# Altium PCB AquaDrone_Main_PCB_V1.PcbDoc
Units mm, origin at the board's own origin, x right, y up, seen from the top; angles counter-clockwise.
Board outline 200 x 139 mm, 2 copper layers (Top Layer, Bottom Layer), stack 1.595 mm thick; 150 components, 93 nets, 469 pads, 224 vias.
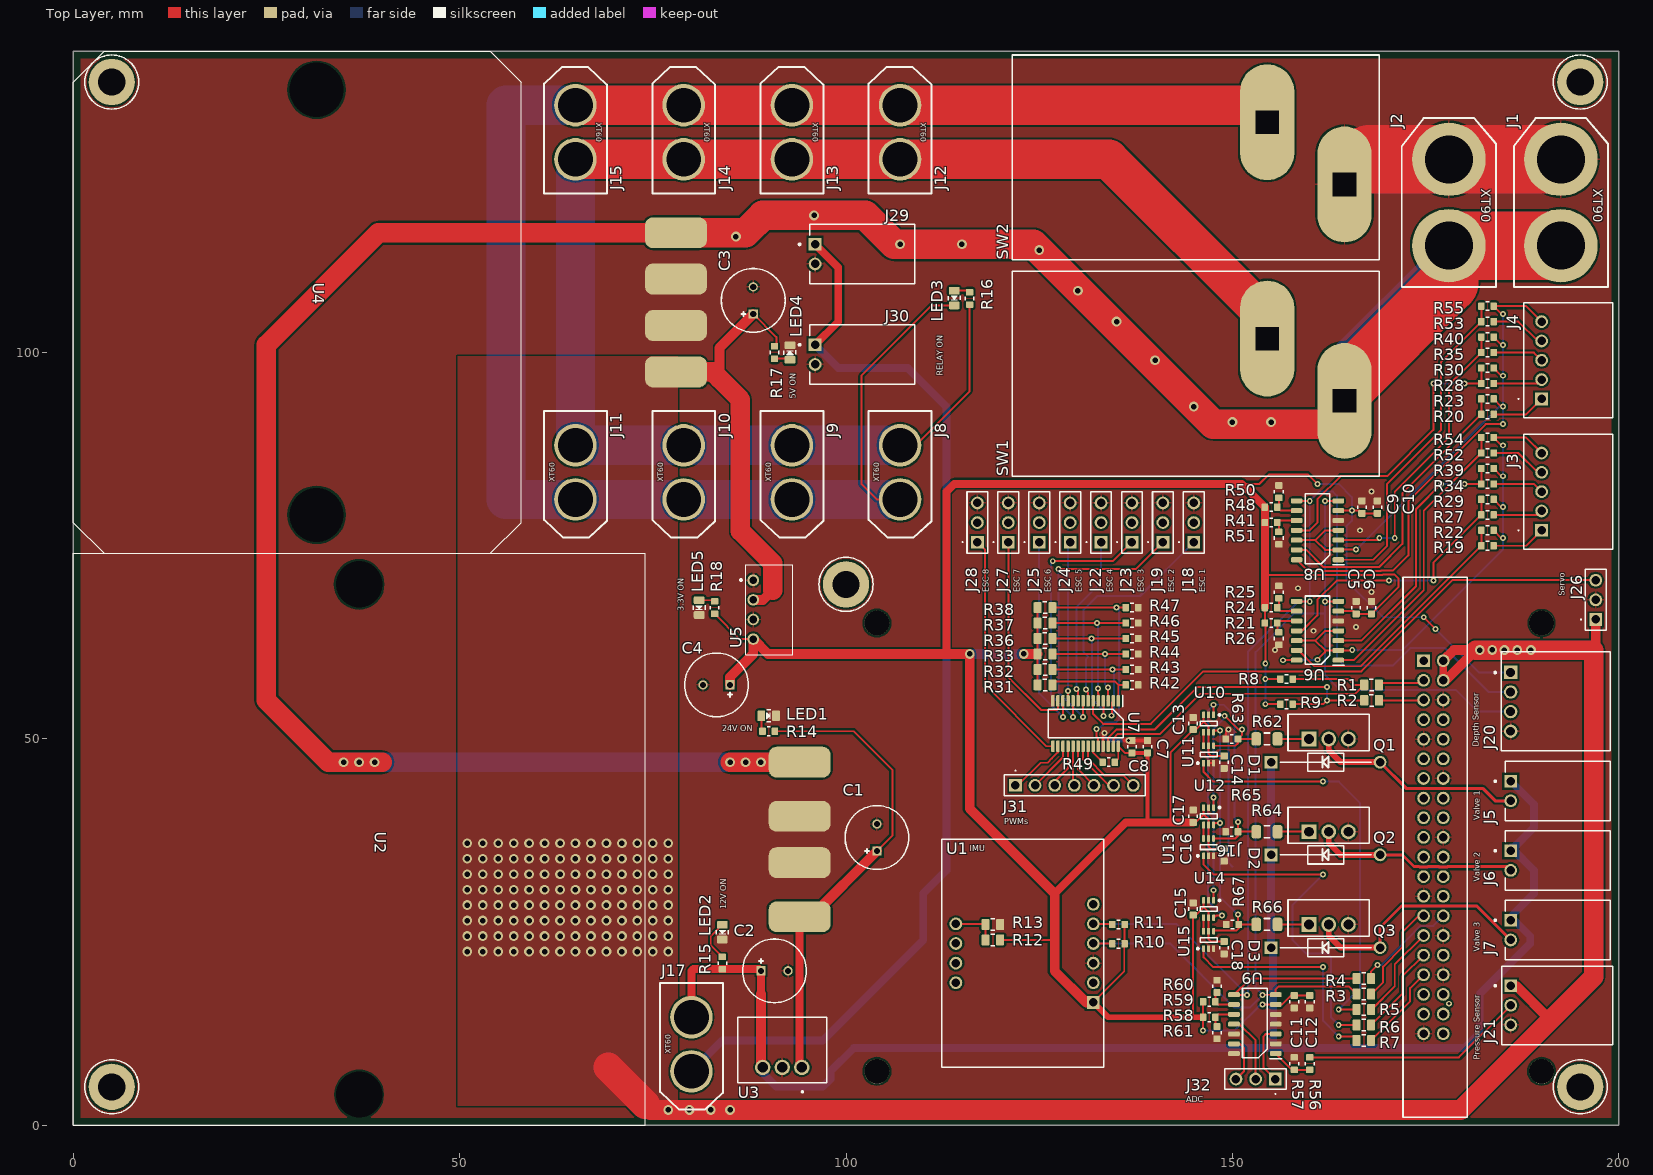
[diagram p0: Top Layer view]
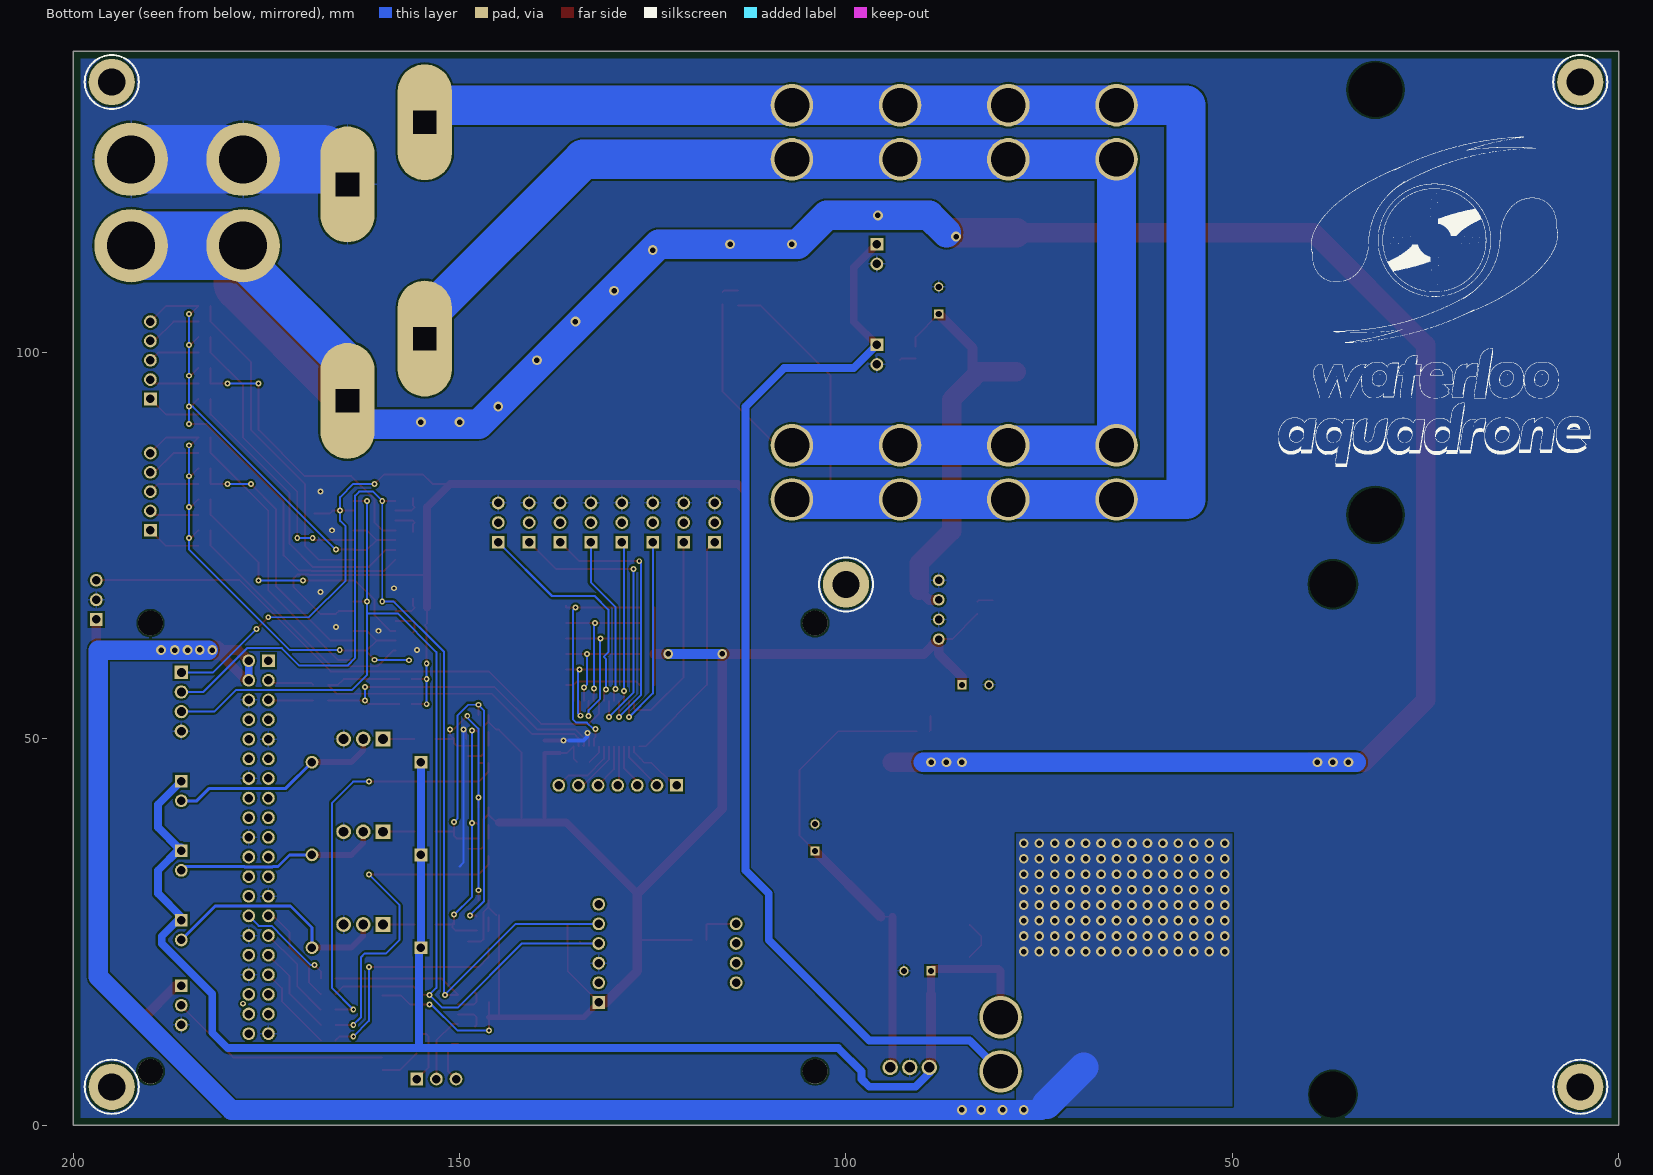
[diagram p1: Bottom Layer view, seen from below]
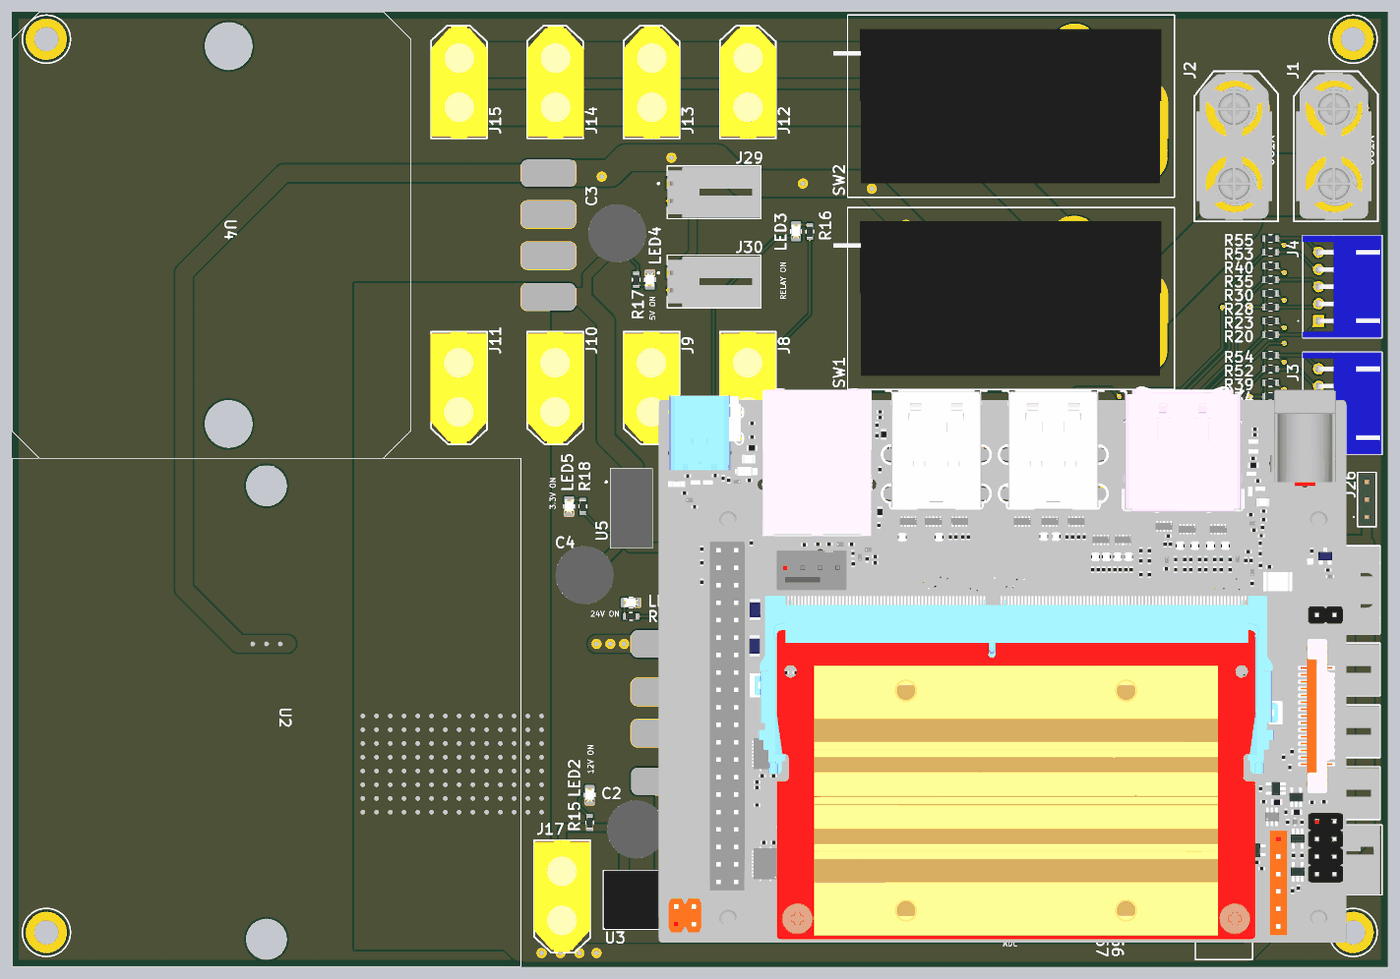
[diagram p2: 3D render of the assembled board from above, using the file's embedded part models]

## Layer stack, top to bottom
Top Solder: solder mask 0.0102, Solder Resist, Dk 3.5
Top Layer: signal copper 0.0356
Dielectric 1: dielectric 1.524, FR-4, Dk 4.8
Bottom Layer: signal copper 0.0356
Bottom Solder: solder mask 0.0102, Solder Resist, Dk 3.5

## Board outline
0,0 200,0 200,139 0,139

## Design rules (kind name [scope] priority, off if disabled: settings)
Clearance [All] p1: gap=0.254 ignorepadtopadclearanceinfootprint=FALSE except(0.127: Arc-SMDPad Track-SMDPad SMDPad-SMDPad SMDPad-THPad SMDPad-Via THPad-Via Via-Via)
ComponentClearance [All] p1: gap=0 collisioncheckmode=3 verticalgap=0 showdistances=FALSE
Height [All] p1: minheight=0 maxheight=100 prefheight=12.7
HoleSize [All] p1: absolutevalues=TRUE maxlimit=6.3 minlimit=0.2 maxpercent=80.000 minpercent=20.000
MinimumAnnularRing [All] p1: minimumring=0.076
MinimumSolderMaskSliver [All] p1: minsoldermaskwidth=0.102
PolygonConnect [All] p1: thpad.connectstyle=Relief thpad.reliefconductorwidth=0.254 thpad.reliefentries=4 thpad.polygonreliefangle="90 Angle" thpad.airgapwidth=0.254 smdpad.connectstyle=Direct smdpad.reliefconductorwidth=0.254 smdpad.reliefentries=4 smdpad.polygonreliefangle="90 Angle" smdpad.airgapwidth=0.254 via.connectstyle=Direct via.reliefconductorwidth=0.254 via.reliefentries=4 via.polygonreliefangle="90 Angle" via.airgapwidth=0.254
RoutingVias [All] p1: holewidth=0.381 width=0.635 viastyle="Through Hole" minholewidth=0.2 minwidth=0.6 maxholewidth=1 maxwidth=1.27
SilkToSilkClearance [All] p1: silktosilkclearance=0.127
SilkToSolderMaskClearance [IsPad] p1: minsilkscreentomaskgap=0.102 clearancetoexposedcopper=TRUE
SolderMaskExpansion [All] p1: expansion=0.102
Width [All] p1: maxlimit=12.7 minlimit=0.127 preferedwidth=0.254
24 further rules are at their usual default settings.

## Classes and differential pairs
component class S6_Solenoid_Valve_Interlock: C13 C14 C15 C16 C17 C18 Q1 Q2 Q3 R62 R63 R64 R65 R66 R67 U10 U11 U12 U13 U14 U15
component class S5_Communications: C5 C6 C7 C8 C9 C10 C11 C12 J31 J32 R19 R20 R21 R22 R23 R24 R25 R26 R27 R28 R29 R30 R31 R32 R33 R34 R35 R36 R37 R38 R39 R40 R41 R42 R43 R44 R45 R46 R47 R48 R49 R50 R51 R52 R53 R54 R55 R56 R57 R58 R59 R60 R61 U6 U7 U8 U9
component class S4_Power_Supply: C1 C2 C3 C4 J29 J30 LED1 LED2 LED3 LED4 LED5 R14 R15 R16 R17 R18 SW1 SW2 U2 U3 U4 U5
component class S3_Connectors: D1 D2 D3 J1 J2 J3 J4 J5 J6 J7 J8 J9 J10 J11 J12 J13 J14 J15 J17 J18 J19 J20 J21 J22 J23 J24 J25 J26 J27 J28 R1 R2 R3 R4 R5 R6 R7 R8 R9 R10 R11 R12 R13 U1

## Components (designator, comment, footprint, x,y, rotation, side; value= is the part's Value field where it differs from the comment)
C1 "CAP ALUM 33UF 20% 100V RADIAL" CAPPRD350W60D825H1700 104,35.5 r90 top value=33uF
C2 "CAP ALUM 33UF 20% 100V RADIAL" CAPPRD350W60D825H1700 89,20 r0 top value=33uF
C3 "CAP ALUM 33UF 20% 100V RADIAL" CAPPRD350W60D825H1700 88,105 r90 top locked value=33uF
C4 "CAP ALUM 33UF 20% 100V RADIAL" CAPPRD350W60D825H1700 85,57 r180 top value=33uF
C5 "CAP CER 0.1UF 16V X7R 0603" CAPC1608X09N 166,67 r270 top locked value=0.1uF
C6 "CAP CER 10UF 25V X5R 0603" CAPC1608X09N 168,67 r270 top locked value=10uF
C7 "CAP CER 10UF 25V X5R 0603" CAPC1608X09N 139,49 r270 top value=10uF
C8 "CAP CER 0.1UF 16V X7R 0603" CAPC1608X09N 137,49 r270 top value=0.1uF
C9 "CAP CER 0.1UF 16V X7R 0603" CAPC1608X09N 166.75,80 r270 top locked value=0.1uF
C10 "CAP CER 10UF 25V X5R 0603" CAPC1608X09N 168.75,80 r270 top locked value=10uF
C11 "CAP CER 0.1UF 16V X7R 0603" CAPC1608X09N 158,16 r90 top value=0.1uF
C12 "CAP CER 10UF 25V X5R 0603" CAPC1608X09N 160,16 r90 top value=10uF
C13 "CAP CER 0.1UF 16V X7R 0603" CAPC1608X09N 144.92,52 r270 top locked value=0.1uF
C14 "CAP CER 0.1UF 16V X7R 0603" CAPC1608X09N 148.92,47 r90 top locked value=0.1uF
C15 "CAP CER 0.1UF 16V X7R 0603" CAPC1608X09N 144.92,28 r270 top locked value=0.1uF
C16 "CAP CER 0.1UF 16V X7R 0603" CAPC1608X09N 148.92,35 r90 top locked value=0.1uF
C17 "CAP CER 0.1UF 16V X7R 0603" CAPC1608X09N 144.92,40 r270 top locked value=0.1uF
C18 "CAP CER 0.1UF 16V X7R 0603" CAPC1608X09N 148.92,23 r90 top locked value=0.1uF
D1 "DIODE GEN PURP 1KV 1A DO41" DIOAD1405W90L465D235 155,47 r0 top locked value=1N4007-TP
D2 "DIODE GEN PURP 1KV 1A DO41" DIOAD1405W90L465D235 155,35 r0 top locked value=1N4007-TP
D3 "DIODE GEN PURP 1KV 1A DO41" DIOAD1405W90L465D235 155,23 r0 top locked value=1N4007-TP
H1 "MTG_HOLE PTH, 3.0mm" MH_PTH_H3.0mmXP6.0mm 5,135 r90 top locked value=PTH_3.0MM
H2 "MTG_HOLE PTH, 3.0mm" MH_PTH_H3.0mmXP6.0mm 5,5 r90 top locked value=PTH_3.0MM
H3 "MTG_HOLE PTH, 3.0mm" MH_PTH_H3.0mmXP6.0mm 195,5 r90 top locked value=PTH_3.0MM
H4 "MTG_HOLE PTH, 3.0mm" MH_PTH_H3.0mmXP6.0mm 195,135 r90 top locked value=PTH_3.0MM
H5 "MTG_HOLE PTH, 3.0mm" MH_PTH_H3.0mmXP6.0mm 100,70 r90 top locked value=PTH_3.0MM
J1 "CONN XT90 MALE" XT90 192.5,125 r270 top locked value=XT90-M
J2 "CONN XT90 MALE" XT90 178,125 r270 top locked value=XT90-M
J3 "CONN HEADER R/A 5POS 2.5MM" SHDR5W64P0X250_1X5_1490X1150X610P 190,77 r270 top locked value="LiPo Cells (JST-XH)"
J4 "CONN HEADER R/A 5POS 2.5MM" SHDR5W64P0X250_1X5_1490X1150X610P 190,94 r270 top locked value="LiPo Cells (JST-XH)"
J5 "CONN HEADER R/A 2POS 2.54MM" SHDRRA2W109P0_254_1X2_762X1359X699P 186,44.54 r90 top locked value=0705530001
J6 "CONN HEADER R/A 2POS 2.54MM" SHDRRA2W109P0_254_1X2_762X1359X699P 186,35.54 r90 top locked value=0705530001
J7 "CONN HEADER R/A 2POS 2.54MM" SHDRRA2W109P0_254_1X2_762X1359X699P 186,26.54 r90 top locked value=0705530001
J8 "CONN XT60 FEMALE" XT60 107,81 r90 top locked value=XT60-F
J9 "CONN XT60 FEMALE" XT60 93,81 r90 top locked value=XT60-F
J10 "CONN XT60 FEMALE" XT60 79,81 r90 top locked value=XT60-F
J11 "CONN XT60 FEMALE" XT60 65,81 r90 top locked value=XT60-F
J12 "CONN XT60 FEMALE" XT60 107,132 r270 top locked value=XT60-F
J13 "CONN XT60 FEMALE" XT60 93,132 r270 top locked value=XT60-F
J14 "CONN XT60 FEMALE" XT60 79,132 r270 top locked value=XT60-F
J15 "CONN XT60 FEMALE" XT60 65,132 r270 top locked value=XT60-F
J16 "Jetson Nano 40 Pin Interface" "Jetson Nano" 182,36 r270 top value="Jetson Nano 40 Pin"
J17 "CONN XT60 FEMALE" XT60 80,7 r90 top locked value=XT60-F
J18 "CONN HEADER VERT 3POS 2.54MM" 61300311121 145,75.46 r90 top locked value="HEADER VERT 3POS"
J19 "CONN HEADER VERT 3POS 2.54MM" 61300311121 141,75.46 r90 top locked value="HEADER VERT 3POS"
J20 "CONN HEADER R/A 4POS 2.54MM" SHDR4W97P0X254_1X4_1271X1359X699P 186,51 r90 top locked value=0705530003
J21 "CONN HEADER R/A 3POS 2.54MM" SHDR3W89P0X254_1X3_1017X1359X699P 186,18.08 r270 top locked value=0705530002
J22 "CONN HEADER VERT 3POS 2.54MM" 61300311121 133,75.46 r90 top locked value="HEADER VERT 3POS"
J23 "CONN HEADER VERT 3POS 2.54MM" 61300311121 137,75.46 r90 top locked value="HEADER VERT 3POS"
J24 "CONN HEADER VERT 3POS 2.54MM" 61300311121 129,75.46 r90 top locked value="HEADER VERT 3POS"
J25 "CONN HEADER VERT 3POS 2.54MM" 61300311121 125,75.46 r90 top locked value="HEADER VERT 3POS"
J26 "CONN HEADER VERT 3POS 2.54MM" 61300311121 197,65.46 r90 top value="HEADER VERT 3POS"
J27 "CONN HEADER VERT 3POS 2.54MM" 61300311121 121,75.46 r90 top locked value="HEADER VERT 3POS"
J28 "CONN HEADER VERT 3POS 2.54MM" 61300311121 117,75.46 r90 top locked value="HEADER VERT 3POS"
J29 "CONN HEADER R/A 2POS 2.54MM" SHDRRA2W109P0_254_1X2_762X1359X699P 96,114 r90 top locked value=0705530001
J30 "CONN HEADER R/A 2POS 2.54MM" SHDRRA2W109P0_254_1X2_762X1359X699P 96,101 r90 top locked value=0705530001
J31 "CONN HEADER VERT 7POS 2.54MM" 61300711121 121.92,44 r0 top value="HEADER VERT 7POS"
J32 "CONN HEADER VERT 3POS 2.54MM" 61300311121 155.54,6 r180 top value="HEADER VERT 3POS"
LED1 "LED GREEN CLEAR 0805 SMD" LED0805 90,53 r180 top value="GREEN 0805"
LED2 "LED GREEN CLEAR 0805 SMD" LED0805 84,25 r90 top value="GREEN 0805"
LED3 "LED GREEN CLEAR 0805 SMD" LED0805 114,107.05 r90 top value="GREEN 0805"
LED4 "LED GREEN CLEAR 0805 SMD" LED0805 92.75,100 r270 top value="GREEN 0805"
LED5 "LED GREEN CLEAR 0805 SMD" LED0805 81,67 r90 top value="GREEN 0805"
Q1 "MOSFET N-CH 55V 47A TO-220AB" TO254P469X1042X1967-3P 159.92,50 r0 top locked value="22mOhm @ 25A, 10V"
Q2 "MOSFET N-CH 55V 47A TO-220AB" TO254P469X1042X1967-3P 159.92,38 r0 top locked value="22mOhm @ 25A, 10V"
Q3 "MOSFET N-CH 55V 47A TO-220AB" TO254P469X1042X1967-3P 159.92,26 r0 top locked value="22mOhm @ 25A, 10V"
R1 "RES SMD 0 OHM JUMPER 1/8W 0805" RESC2012X07N 168,57 r0 top locked value=0R
R2 "RES SMD 0 OHM JUMPER 1/8W 0805" RESC2012X07N 168,55 r0 top locked value=0R
R3 "RES SMD 0 OHM JUMPER 1/8W 0805" RESC2012X07N 167,17 r0 top value=0R
R4 "RES SMD 0 OHM JUMPER 1/8W 0805" RESC2012X07N 167,19 r180 top value=0R
R5 "RES SMD 0 OHM JUMPER 1/8W 0805" RESC2012X07N 167,15 r0 top value=0R
R6 "RES SMD 0 OHM JUMPER 1/8W 0805" RESC2012X07N 167,13 r0 top value=0R
R7 "RES SMD 0 OHM JUMPER 1/8W 0805" RESC2012X07N 167,11 r0 top value=0R
R8 "RES SMD 10K OHM 1% 1/10W 0603" RESC1608X06N 157,57.75 r180 top value=10K
R9 "RES SMD 10K OHM 1% 1/10W 0603" RESC1608X06N 157,54.5 r180 top value=10K
R10 "RES SMD 10K OHM 1% 1/10W 0603" RESC1608X06N 135.25,23.5 r0 top value=10K
R11 "RES SMD 10K OHM 1% 1/10W 0603" RESC1608X06N 135.25,26 r0 top value=10K
R12 "RES SMD 0 OHM JUMPER 1/8W 0805" RESC2012X07N 119,24 r180 top value=0R
R13 "RES SMD 0 OHM JUMPER 1/8W 0805" RESC2012X07N 119,26 r0 top value=0R
R14 "RES SMD 10K OHM 1% 1/10W 0603" RESC1608X06N 90,51 r0 top value=10K
R15 "RES SMD 10K OHM 1% 1/10W 0603" RESC1608X06N 84,21 r270 top value=10K
R16 "RES SMD 10K OHM 1% 1/10W 0603" RESC1608X06N 116,107 r270 top value=10K
R17 "RES SMD 10K OHM 1% 1/10W 0603" RESC1608X06N 90.75,100 r90 top value=10K
R18 "RES SMD 10K OHM 1% 1/10W 0603" RESC1608X06N 83,67 r270 top value=10K
R19 "RES SMD 127K OHM 1% 1/10W 0603" RESC1608X06N 183,75 r0 top locked value=127K
R20 "RES SMD 127K OHM 1% 1/10W 0603" RESC1608X06N 183,92 r0 top locked value=127K
R21 "RES SMD 10K OHM 1% 1/10W 0603" RESC1608X06N 155,65 r0 top locked value=10K
R22 "RES SMD 28.7K OHM 1% 1/10W 0603" RESC1608X06N 183,77 r180 top locked value=28.7K
R23 "RES SMD 28.7K OHM 1% 1/10W 0603" RESC1608X06N 183,94 r180 top locked value=28.7K
R24 "RES SMD 10K OHM 1% 1/10W 0603" RESC1608X06N 155,67 r0 top locked value=10K
R25 "RES SMD 10K OHM 1% 1/10W 0603" RESC1608X06N 156,69 r270 top locked value=10K
R26 "RES SMD 10K OHM 1% 1/10W 0603" RESC1608X06N 156,63 r90 top locked value=10K
R27 "RES SMD 86.6K OHM 1% 1/10W 0603" RESC1608X06N 183,79 r0 top locked value=86.6K
R28 "RES SMD 86.6K OHM 1% 1/10W 0603" RESC1608X06N 183,96 r0 top locked value=86.6K
R29 "RES SMD 28.7K OHM 1% 1/10W 0603" RESC1608X06N 183,81 r180 top locked value=28.7K
R30 "RES SMD 28.7K OHM 1% 1/10W 0603" RESC1608X06N 183,98 r180 top locked value=28.7K
R31 "RES SMD 0 OHM JUMPER 1/8W 0805" RESC2012X07N 125.75,57 r0 top value=0R
R32 "RES SMD 0 OHM JUMPER 1/8W 0805" RESC2012X07N 125.75,59 r0 top value=0R
R33 "RES SMD 0 OHM JUMPER 1/8W 0805" RESC2012X07N 125.75,61 r0 top value=0R
R34 "RES SMD 47K OHM 1% 1/10W 0603" RESC1608X06N 183,83 r0 top value=47K
R35 "RES SMD 47K OHM 1% 1/10W 0603" RESC1608X06N 183,100 r0 top locked value=47K
R36 "RES SMD 0 OHM JUMPER 1/8W 0805" RESC2012X07N 125.75,63 r0 top value=0R
R37 "RES SMD 0 OHM JUMPER 1/8W 0805" RESC2012X07N 125.75,65 r0 top value=0R
R38 "RES SMD 0 OHM JUMPER 1/8W 0805" RESC2012X07N 125.75,67 r0 top value=0R
R39 "RES SMD 28.7K OHM 1% 1/10W 0603" RESC1608X06N 183,85 r180 top locked value=28.7K
R40 "RES SMD 28.7K OHM 1% 1/10W 0603" RESC1608X06N 183,102 r180 top locked value=28.7K
R41 "RES SMD 10K OHM 1% 1/10W 0603" RESC1608X06N 155,78 r0 top locked value=10K
R42 "RES SMD 10K OHM 1% 1/10W 0603" RESC1608X06N 137,57 r180 top value=10K
R43 "RES SMD 10K OHM 1% 1/10W 0603" RESC1608X06N 137,59 r180 top value=10K
R44 "RES SMD 10K OHM 1% 1/10W 0603" RESC1608X06N 137,61 r180 top value=10K
R45 "RES SMD 10K OHM 1% 1/10W 0603" RESC1608X06N 137,63 r180 top value=10K
R46 "RES SMD 10K OHM 1% 1/10W 0603" RESC1608X06N 137,65 r180 top value=10K
R47 "RES SMD 10K OHM 1% 1/10W 0603" RESC1608X06N 137,67 r180 top value=10K
R48 "RES SMD 10K OHM 1% 1/10W 0603" RESC1608X06N 155,80 r0 top locked value=10K
R49 "RES SMD 10K OHM 1% 1/10W 0603" RESC1608X06N 134,47 r180 top value=10K
R50 "RES SMD 10K OHM 1% 1/10W 0603" RESC1608X06N 156,82 r270 top locked value=10K
R51 "RES SMD 10K OHM 1% 1/10W 0603" RESC1608X06N 156,76 r90 top locked value=10K
R52 "RES SMD 10K OHM 1% 1/10W 0603" RESC1608X06N 183,87 r0 top locked value=10K
R53 "RES SMD 10K OHM 1% 1/10W 0603" RESC1608X06N 183,104 r0 top locked value=10K
R54 "RES SMD 28.7K OHM 1% 1/10W 0603" RESC1608X06N 183,89 r180 top locked value=28.7K
R55 "RES SMD 28.7K OHM 1% 1/10W 0603" RESC1608X06N 183,106 r180 top locked value=28.7K
R56 "RES SMD 4.53K OHM 1% 1/10W 0603" RESC1608X06N 160,8 r90 top value=4.53K
R57 "RES SMD 10K OHM 1% 1/10W 0603" RESC1608X06N 158,8 r270 top value=10K
R58 "RES SMD 10K OHM 1% 1/10W 0603" RESC1608X06N 147,14 r0 top value=10K
R59 "RES SMD 10K OHM 1% 1/10W 0603" RESC1608X06N 147,16 r0 top value=10K
R60 "RES SMD 10K OHM 1% 1/10W 0603" RESC1608X06N 148,18 r270 top value=10K
R61 "RES SMD 10K OHM 1% 1/10W 0603" RESC1608X06N 148,12 r90 top value=10K
R62 "RES 100 OHM 1% 1/2W 1206" RESC3116X06N 154.46,50 r0 top locked value=100R
R63 "RES SMD 10K OHM 1% 1/10W 0603" RESC1608X06N 149.92,50 r0 top locked value=10K
R64 "RES 100 OHM 1% 1/2W 1206" RESC3116X06N 154.46,38 r0 top locked value=100R
R65 "RES SMD 10K OHM 1% 1/10W 0603" RESC1608X06N 149.92,38 r0 top locked value=10K
R66 "RES 100 OHM 1% 1/2W 1206" RESC3116X06N 154.46,26 r0 top locked value=100R
R67 "RES SMD 10K OHM 1% 1/10W 0603" RESC1608X06N 150,26 r0 top locked value=10K
SW1 "RELAY GEN PURPOSE SPST 120A 12V" "G9TB-U1ATW-E DC12" 140,89 r0 top locked value="120A 12V"
SW2 "RELAY GEN PURPOSE SPST 120A 12V" "G9TB-U1ATW-E DC12" 140,117 r0 top locked value="120A 12V"
U1 "IC BNO055" BNO055 132,15.92 r90 top locked value=BNO055
U2 "DC-DC 24V 5A" "DROK 090183 24V 5A" 37,37 r0 top locked
U3 "DC DC CONVERTER 12V 24W" R-78B12-2.0 91.75,5.5 r180 top
U4 "DC-DC 5V 10A" "DROK 090586 5V 10A" 29,106.5 r0 top locked
U5 "DC-DC ISOLATED 3.3V 1 W" PDSE1S5S3S 88,70.54 r270 top
U6 "IC ADC 18BIT SIGMA-DELTA 14SOIC" SOIC127P600X175-14N 161,64 r180 top locked value=MCP3424-E/SL
U7 "IC LED DRVR LIN DIM 25MA 28TSSOP" SOP65P640X110-28N 131,52 r270 top locked value=PCA9685PW,112
U8 "IC ADC 18BIT SIGMA-DELTA 14SOIC" SOIC127P600X175-14N 161,77 r180 top locked value=MCP3424-E/SL
U9 "IC ADC 18BIT SIGMA-DELTA 14SOIC" SOIC127P600X175-14N 152.9,13.1 r180 top locked value=MCP3424-E/SL
U10 "IC CONFIG MULT-FUNC GATE SOT23-6" SOT65P210X110-6N_SN74LVC1G97DCK 146.92,52 r270 top locked value=SN74LVC1G97DBVR
U11 "IC CONFIG MULT-FUNC GATE SOT23-6" SOT65P210X110-6N_SN74LVC1G97DCK 146.92,48 r90 top locked value=SN74LVC1G97DBVR
U12 "IC CONFIG MULT-FUNC GATE SOT23-6" SOT65P210X110-6N_SN74LVC1G97DCK 146.92,40 r270 top locked value=SN74LVC1G97DBVR
U13 "IC CONFIG MULT-FUNC GATE SOT23-6" SOT65P210X110-6N_SN74LVC1G97DCK 146.92,36 r90 top locked value=SN74LVC1G97DBVR
U14 "IC CONFIG MULT-FUNC GATE SOT23-6" SOT65P210X110-6N_SN74LVC1G97DCK 146.92,28 r270 top locked value=SN74LVC1G97DBVR
U15 "IC CONFIG MULT-FUNC GATE SOT23-6" SOT65P210X110-6N_SN74LVC1G97DCK 146.92,24 r90 top locked value=SN74LVC1G97DBVR
